# Altium PCB AIWAC_A33_LVDS07_20181114..PcbDoc (part 12 of 14)
Units mm, origin at the board's own origin, x right, y up, seen from the top; angles counter-clockwise.
Board outline 96.06 x 45 mm, 2 copper layers (Top Layer, Bottom Layer); 78 components, 59 nets, 22856 pads, 712 vias.
Unrouted connection lines stored in the file: 2.
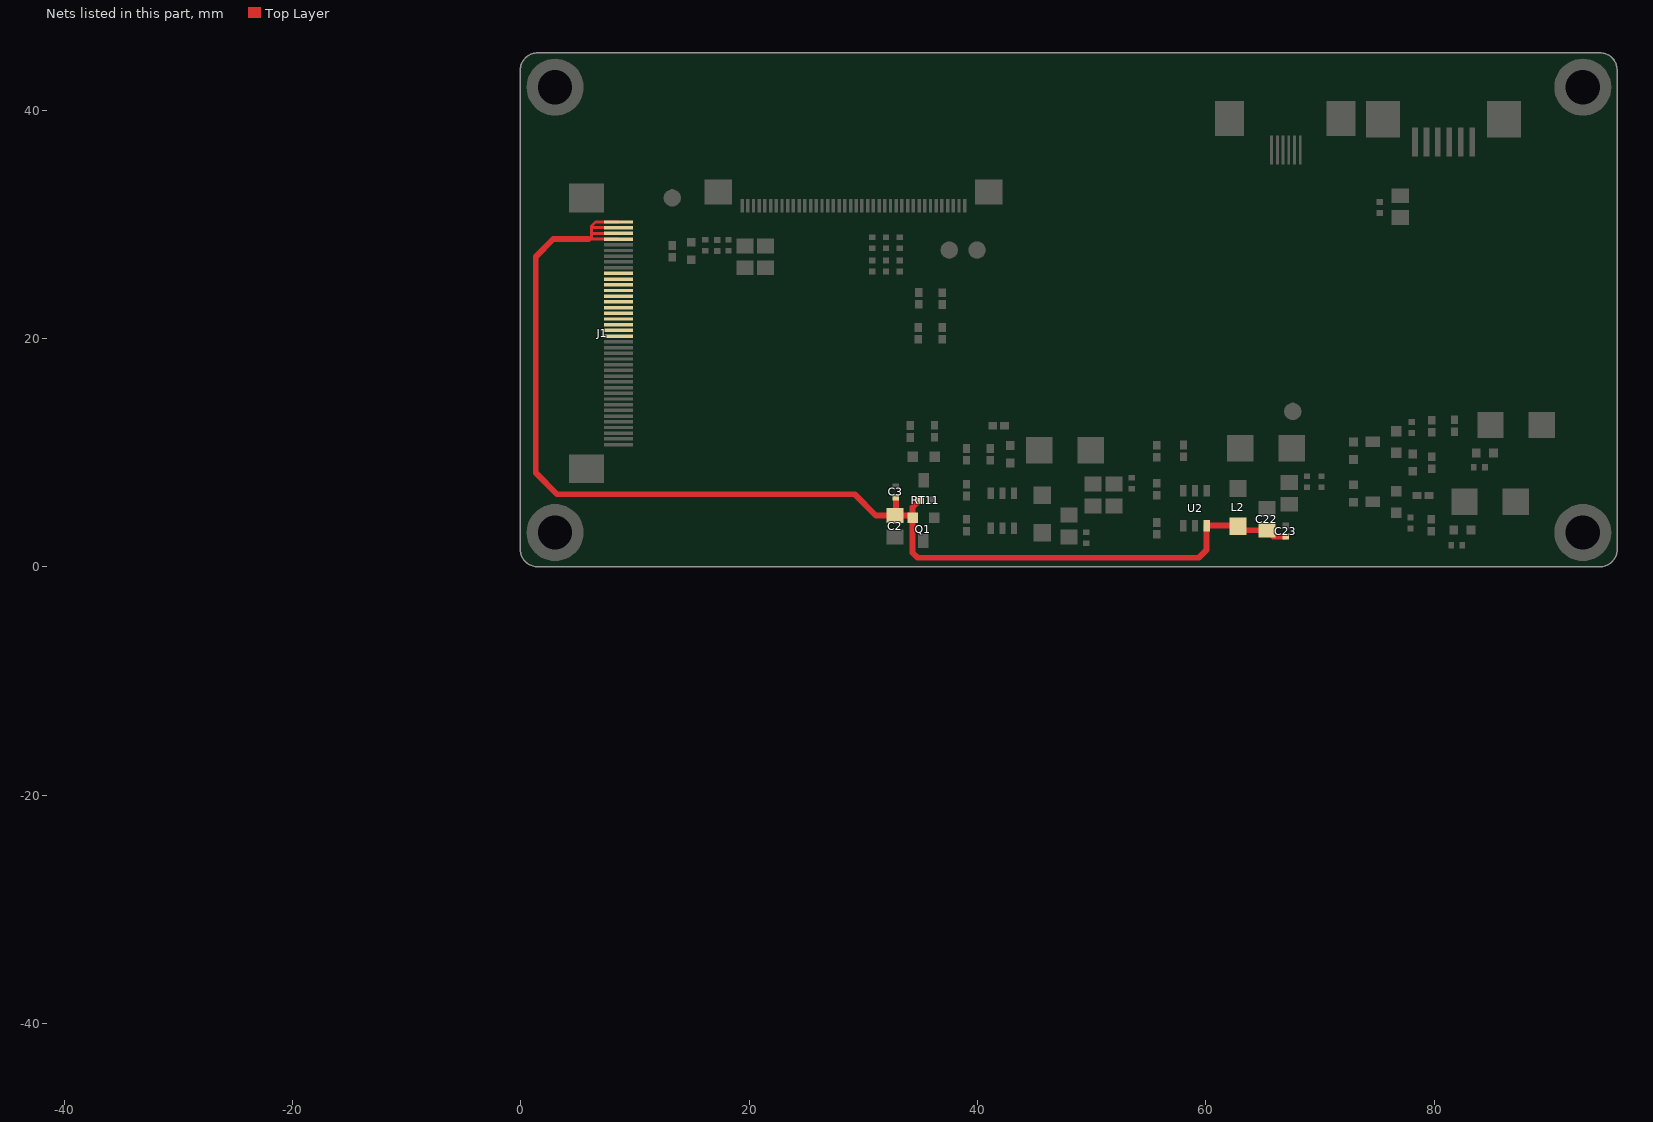
[diagram p12: the nets of this part, all layers, seen from the top]

## Free pads (board coordinates) (continued)
  round 0.001 on Mech2: 1(-39.049,-44.11) 1(-39.049,-44.11) 1(-39.049,-44.11) 1(-39.049,-44.108) 1(-39.049,-44.108) 1(-39.049,-44.108) 1(-39.049,-44.108) 1(-39.049,-44.108) 1(-39.049,-44.108) 1(-39.049,-44.106) 1(-39.049,-44.106) 1(-39.049,-44.106) 1(-39.049,-44.106) 1(-39.049,-44.106) 1(-39.049,-44.106) 1(-39.049,-44.104) 1(-39.049,-44.104) 1(-39.049,-44.104) 1(-39.048,-44.132) 1(-39.048,-44.132) 1(-39.048,-44.132) 1(-39.048,-44.126) 1(-39.048,-44.126) 1(-39.048,-44.126) 1(-39.046,-44.141) 1(-39.046,-44.141) 1(-39.046,-44.141) 1(-39.046,-44.139) 1(-39.046,-44.139) 1(-39.046,-44.139) 1(-39.046,-44.139) 1(-39.046,-44.139) 1(-39.046,-44.139) 1(-39.046,-44.139) 1(-39.046,-44.139) 1(-39.046,-44.139) 1(-39.045,-44.102) 1(-39.045,-44.102) 1(-39.045,-44.102) 1(-39.044,-44.111) 1(-39.044,-44.111) 1(-39.044,-44.111) 1(-39.044,-44.102) 1(-39.044,-44.102) 1(-39.044,-44.102) 1(-39.044,-44.122) 1(-39.044,-44.122) 1(-39.044,-44.122) 1(-39.044,-44.119) 1(-39.044,-44.119) 1(-39.044,-44.119) 1(-39.044,-44.116) 1(-39.044,-44.116) 1(-39.044,-44.116) 1(-39.044,-44.114) 1(-39.044,-44.114) 1(-39.044,-44.114) 1(-39.044,-44.111) 1(-39.044,-44.111) 1(-39.044,-44.111) 1(-39.044,-44.111) 1(-39.044,-44.111) 1(-39.044,-44.111) 1(-39.043,-44.112) 1(-39.043,-44.112) 1(-39.043,-44.112) 1(-39.043,-44.097) 1(-39.043,-44.097) 1(-39.043,-44.097) 1(-39.043,-44.102) 1(-39.043,-44.102) 1(-39.043,-44.102) 1(-39.043,-44.111) 1(-39.043,-44.111) 1(-39.043,-44.111) 1(-39.042,-44.124) 1(-39.042,-44.124) 1(-39.042,-44.124) 1(-39.042,-44.124) 1(-39.042,-44.124) 1(-39.042,-44.124) 1(-39.042,-44.124) 1(-39.042,-44.124) 1(-39.042,-44.124) 1(-39.042,-44.102) 1(-39.042,-44.102) 1(-39.042,-44.102) 1(-39.042,-44.102) 1(-39.042,-44.102) 1(-39.042,-44.102) 1(-39.042,-44.095) 1(-39.042,-44.095) 1(-39.042,-44.095) 1(-39.042,-44.096) 1(-39.042,-44.096) 1(-39.042,-44.096) 1(-39.042,-44.096) 1(-39.042,-44.096) 1(-39.042,-44.096) 1(-39.042,-44.101) 1(-39.042,-44.101) 1(-39.042,-44.101) 1(-39.042,-44.101) 1(-39.042,-44.101) 1(-39.042,-44.101) 1(-39.042,-44.125) 1(-39.042,-44.125) 1(-39.042,-44.125) 1(-39.041,-44.14) 1(-39.041,-44.14) 1(-39.041,-44.14) 1(-39.041,-44.097) 1(-39.041,-44.097) 1(-39.041,-44.097) 1(-39.041,-44.097) 1(-39.041,-44.097) 1(-39.041,-44.097) 1(-39.041,-44.133) 1(-39.041,-44.133) 1(-39.041,-44.133) 1(-39.041,-44.132) 1(-39.041,-44.132) 1(-39.041,-44.132) 1(-39.041,-44.104) 1(-39.041,-44.104) 1(-39.041,-44.104) 1(-39.041,-44.102) 1(-39.041,-44.102) 1(-39.041,-44.102) 1(-39.041,-44.101) 1(-39.041,-44.101) 1(-39.041,-44.101) 1(-39.041,-44.101) 1(-39.041,-44.101) 1(-39.041,-44.101) 1(-39.041,-44.098) 1(-39.041,-44.098) 1(-39.041,-44.098) 1(-39.041,-44.097) 1(-39.041,-44.097) 1(-39.041,-44.097) 1(-39.041,-44.097) 1(-39.041,-44.097) 1(-39.041,-44.097) 1(-39.041,-44.097) 1(-39.041,-44.097) 1(-39.041,-44.097) 1(-39.041,-44.097) 1(-39.041,-44.097) 1(-39.041,-44.097) 1(-39.04,-44.096) 1(-39.04,-44.096) 1(-39.04,-44.096) 1(-39.04,-44.14) 1(-39.04,-44.14) 1(-39.04,-44.14) 1(-39.04,-44.105) 1(-39.04,-44.105) 1(-39.04,-44.105) 1(-39.04,-44.103) 1(-39.04,-44.103) 1(-39.04,-44.103) 1(-39.04,-44.103) 1(-39.04,-44.103) 1(-39.04,-44.103) 1(-39.04,-44.133) 1(-39.04,-44.133) 1(-39.04,-44.133) 1(-39.04,-44.132) 1(-39.04,-44.132) 1(-39.04,-44.132) 1(-39.04,-44.104) 1(-39.04,-44.104) 1(-39.04,-44.104) 1(-39.04,-44.103) 1(-39.04,-44.103) 1(-39.04,-44.103) 1(-39.04,-44.102) 1(-39.04,-44.102) 1(-39.04,-44.102) 1(-39.04,-44.099) 1(-39.04,-44.099) 1(-39.04,-44.099) 1(-39.04,-44.099) 1(-39.04,-44.099) 1(-39.04,-44.099) 1(-39.04,-44.098) 1(-39.04,-44.098) 1(-39.04,-44.098) 1(-39.04,-44.097) 1(-39.04,-44.097) 1(-39.04,-44.097) 1(-39.04,-44.097) 1(-39.04,-44.097) 1(-39.04,-44.097) 1(-39.04,-44.097) 1(-39.04,-44.097) 1(-39.04,-44.097) 1(-39.039,-44.096) 1(-39.039,-44.096) 1(-39.039,-44.096) 1(-39.039,-44.118) 1(-39.039,-44.118) 1(-39.039,-44.118) 1(-39.039,-44.116) 1(-39.039,-44.116) 1(-39.039,-44.116) 1(-39.039,-44.125) 1(-39.039,-44.125) 1(-39.039,-44.125) 1(-39.039,-44.125) 1(-39.039,-44.125) 1(-39.039,-44.125) 1(-39.039,-44.125) 1(-39.039,-44.125) 1(-39.039,-44.125) 1(-39.039,-44.114) 1(-39.039,-44.114) 1(-39.039,-44.114) 1(-39.038,-44.112) 1(-39.038,-44.112) 1(-39.038,-44.112) 1(-39.038,-44.112) 1(-39.038,-44.112) 1(-39.038,-44.112) 1(-39.038,-44.14) 1(-39.038,-44.14) 1(-39.038,-44.14) 1(-39.038,-44.112) 1(-39.038,-44.112) 1(-39.038,-44.112) 1(-39.038,-44.104) 1(-39.038,-44.104) 1(-39.038,-44.104) 1(-39.038,-44.104) 1(-39.038,-44.104) 1(-39.038,-44.104) 1(-39.038,-44.104) 1(-39.038,-44.104) 1(-39.038,-44.104) 1(-39.038,-44.103) 1(-39.038,-44.103) 1(-39.038,-44.103) 1(-39.038,-44.102) 1(-39.038,-44.102) 1(-39.038,-44.102) 1(-39.038,-44.098) 1(-39.038,-44.098) 1(-39.038,-44.098) 1(-39.038,-44.097) 1(-39.038,-44.097) 1(-39.038,-44.097) 1(-39.038,-44.097) 1(-39.038,-44.097) 1(-39.038,-44.097) 1(-39.038,-44.096) 1(-39.038,-44.096) 1(-39.038,-44.096) 1(-39.038,-44.096) 1(-39.038,-44.096) 1(-39.038,-44.096) 1(-39.038,-44.113) 1(-39.038,-44.113) 1(-39.038,-44.113) 1(-39.038,-44.118) 1(-39.038,-44.118) 1(-39.038,-44.118) 1(-39.038,-44.118) 1(-39.038,-44.118) 1(-39.038,-44.118) 1(-39.038,-44.105) 1(-39.038,-44.105) 1(-39.038,-44.105) 1(-39.038,-44.105) 1(-39.038,-44.105) 1(-39.038,-44.105) 1(-39.038,-44.105) 1(-39.038,-44.105) 1(-39.038,-44.105) 1(-39.038,-44.109) 1(-39.038,-44.109) 1(-39.038,-44.109) 1(-39.038,-44.109) 1(-39.038,-44.109) 1(-39.038,-44.109) 1(-39.038,-44.109) 1(-39.038,-44.109) 1(-39.038,-44.109) 1(-39.038,-44.125) 1(-39.038,-44.125) 1(-39.038,-44.125) 1(-39.038,-44.125) 1(-39.038,-44.125) 1(-39.038,-44.125) 1(-39.038,-44.14) 1(-39.038,-44.14) 1(-39.038,-44.14) 1(-39.038,-44.14) 1(-39.038,-44.14) 1(-39.038,-44.14) 1(-39.038,-44.114) 1(-39.038,-44.114) 1(-39.038,-44.114) 1(-39.038,-44.116) 1(-39.038,-44.116) 1(-39.038,-44.116) 1(-39.038,-44.116) 1(-39.038,-44.116) 1(-39.038,-44.116) 1(-39.038,-44.096) 1(-39.038,-44.096) 1(-39.038,-44.096) 1(-39.037,-44.113) 1(-39.037,-44.113) 1(-39.037,-44.113) 1(-39.037,-44.14) 1(-39.037,-44.14) 1(-39.037,-44.14) 1(-39.037,-44.104) 1(-39.037,-44.104) 1(-39.037,-44.104) 1(-39.037,-44.103) 1(-39.037,-44.103) 1(-39.037,-44.103) 1(-39.037,-44.103) 1(-39.037,-44.103) 1(-39.037,-44.103) 1(-39.037,-44.102) 1(-39.037,-44.102) 1(-39.037,-44.102) 1(-39.037,-44.101) 1(-39.037,-44.101) 1(-39.037,-44.101) 1(-39.037,-44.101) 1(-39.037,-44.101) 1(-39.037,-44.101) 1(-39.037,-44.098) 1(-39.037,-44.098) 1(-39.037,-44.098) 1(-39.037,-44.097) 1(-39.037,-44.097) 1(-39.037,-44.097) 1(-39.037,-44.097) 1(-39.037,-44.097) 1(-39.037,-44.097) 1(-39.037,-44.096) 1(-39.037,-44.096) 1(-39.037,-44.096) 1(-39.037,-44.096) 1(-39.037,-44.096) 1(-39.037,-44.096) 1(-39.037,-44.104) 1(-39.037,-44.104) 1(-39.037,-44.104) 1(-39.037,-44.104) 1(-39.037,-44.104) 1(-39.037,-44.104) 1(-39.037,-44.118) 1(-39.037,-44.118) 1(-39.037,-44.118) 1(-39.037,-44.118) 1(-39.037,-44.118) 1(-39.037,-44.118) 1(-39.037,-44.117) 1(-39.037,-44.117) 1(-39.037,-44.117) 1(-39.037,-44.118) 1(-39.037,-44.118) 1(-39.037,-44.118) 1(-39.037,-44.118) 1(-39.037,-44.118) 1(-39.037,-44.118) 1(-39.037,-44.109) 1(-39.037,-44.109) 1(-39.037,-44.109) 1(-39.037,-44.109) 1(-39.037,-44.109) 1(-39.037,-44.109) 1(-39.036,-44.125) 1(-39.036,-44.125) 1(-39.036,-44.125) 1(-39.036,-44.109) 1(-39.036,-44.109) 1(-39.036,-44.109) 1(-39.036,-44.109) 1(-39.036,-44.109) 1(-39.036,-44.109) 1(-39.036,-44.14) 1(-39.036,-44.14) 1(-39.036,-44.14) 1(-39.035,-44.109) 1(-39.035,-44.109) 1(-39.035,-44.109) 1(-39.035,-44.109) 1(-39.035,-44.109) 1(-39.035,-44.109) 1(-39.035,-44.104) 1(-39.035,-44.104) 1(-39.035,-44.104) 1(-39.035,-44.104) 1(-39.035,-44.104) 1(-39.035,-44.104) 1(-39.035,-44.101) 1(-39.035,-44.101) 1(-39.035,-44.101) 1(-39.035,-44.101) 1(-39.035,-44.101) 1(-39.035,-44.101) 1(-39.035,-44.118) 1(-39.035,-44.118) 1(-39.035,-44.118) 1(-39.035,-44.118) 1(-39.035,-44.118) 1(-39.035,-44.118) 1(-39.035,-44.117) 1(-39.035,-44.117) 1(-39.035,-44.117) 1(-39.035,-44.106) 1(-39.035,-44.106) 1(-39.035,-44.106) 1(-39.035,-44.106) 1(-39.035,-44.106) 1(-39.035,-44.106) 1(-39.035,-44.105) 1(-39.035,-44.105) 1(-39.035,-44.105) 1(-39.035,-44.105) 1(-39.035,-44.105) 1(-39.035,-44.105) 1(-39.035,-44.104) 1(-39.035,-44.104) 1(-39.035,-44.104) 1(-39.035,-44.104) 1(-39.035,-44.104) 1(-39.035,-44.104) 1(-39.035,-44.106) 1(-39.035,-44.106) 1(-39.035,-44.106) 1(-39.035,-44.117) 1(-39.035,-44.117) 1(-39.035,-44.117) 1(-39.035,-44.117) 1(-39.035,-44.117) 1(-39.035,-44.117) 1(-39.035,-44.14) 1(-39.035,-44.14) 1(-39.035,-44.14) 1(-39.034,-44.106) 1(-39.034,-44.106) 1(-39.034,-44.106) 1(-39.034,-44.118) 1(-39.034,-44.118) 1(-39.034,-44.118) 1(-39.034,-44.117) 1(-39.034,-44.117) 1(-39.034,-44.117) 1(-39.034,-44.106) 1(-39.034,-44.106) 1(-39.034,-44.106) 1(-39.034,-44.106) 1(-39.034,-44.106) 1(-39.034,-44.106) 1(-39.034,-44.105) 1(-39.034,-44.105) 1(-39.034,-44.105) 1(-39.033,-44.112) 1(-39.033,-44.112) 1(-39.033,-44.112) 1(-39.033,-44.112) 1(-39.033,-44.112) 1(-39.033,-44.112) 1(-39.032,-44.117) 1(-39.032,-44.117) 1(-39.032,-44.117) 1(-39.032,-44.116) 1(-39.032,-44.116) 1(-39.032,-44.116) 1(-39.031,-44.148) 1(-39.031,-44.148) 1(-39.031,-44.148) 1(-39.031,-44.143) 1(-39.031,-44.143) 1(-39.031,-44.143) 1(-39.028,-44.135) 1(-39.028,-44.135) 1(-39.028,-44.135) 1(-39.028,-44.138) 1(-39.028,-44.138) 1(-39.028,-44.138) 1(-39.028,-44.137) 1(-39.028,-44.137) 1(-39.028,-44.137) 1(-39.028,-44.133) 1(-39.028,-44.133) 1(-39.028,-44.133) 1(-39.028,-44.132) 1(-39.028,-44.132) 1(-39.028,-44.132) 1(-39.028,-44.112) 1(-39.028,-44.112) 1(-39.028,-44.112) 1(-39.028,-44.112) 1(-39.028,-44.112) 1(-39.028,-44.112) 1(-39.027,-44.14) 1(-39.027,-44.14) 1(-39.027,-44.14) 1(-39.027,-44.14) 1(-39.027,-44.14) 1(-39.027,-44.14) 1(-39.027,-44.14) 1(-39.027,-44.14) 1(-39.027,-44.14) 1(-39.027,-44.14) 1(-39.027,-44.14) 1(-39.027,-44.14) 1(-39.027,-44.135) 1(-39.027,-44.135) 1(-39.027,-44.135) 1(-39.027,-44.135) 1(-39.027,-44.135) 1(-39.027,-44.135) 1(-39.027,-44.135) 1(-39.027,-44.135) 1(-39.027,-44.135) 1(-39.027,-44.135) 1(-39.027,-44.135) 1(-39.027,-44.135) 1(-39.027,-44.134) 1(-39.027,-44.134) 1(-39.027,-44.134) 1(-39.025,-44.147) 1(-39.025,-44.147) 1(-39.025,-44.147) 1(-39.025,-44.147) 1(-39.025,-44.147) 1(-39.025,-44.147) 1(-39.025,-44.146) 1(-39.025,-44.146) 1(-39.025,-44.146) 1(-39.025,-44.148) 1(-39.025,-44.148) 1(-39.025,-44.148) 1(-39.025,-44.148) 1(-39.025,-44.148) 1(-39.025,-44.148) 1(-39.025,-44.109) 1(-39.025,-44.109) 1(-39.025,-44.109) 1(-39.025,-44.109) 1(-39.025,-44.109) 1(-39.025,-44.109) 1(-39.025,-44.109) 1(-39.025,-44.109) 1(-39.025,-44.109) 1(-39.024,-44.148) 1(-39.024,-44.148) 1(-39.024,-44.148) 1(-39.024,-44.148) 1(-39.024,-44.148) 1(-39.024,-44.148) 1(-39.024,-44.148) 1(-39.024,-44.148) 1(-39.024,-44.148) 1(-39.023,-44.148) 1(-39.023,-44.148) 1(-39.023,-44.148) 1(-39.023,-44.148) 1(-39.023,-44.148) 1(-39.023,-44.148) 1(-39.023,-44.146) 1(-39.023,-44.146) 1(-39.023,-44.146) 1(-39.022,-44.148) 1(-39.022,-44.148) 1(-39.022,-44.148) 1(-39.022,-44.148) 1(-39.022,-44.148) 1(-39.022,-44.148) 1(-39.022,-44.148) 1(-39.022,-44.148) 1(-39.022,-44.148) 1(-39.021,-44.148) 1(-39.021,-44.148) 1(-39.021,-44.148) 1(-39.021,-44.148) 1(-39.021,-44.148) 1(-39.021,-44.148) 1(-39.021,-44.146) 1(-39.021,-44.146) 1(-39.021,-44.146) 1(-39.02,-44.148) 1(-39.02,-44.148) 1(-39.02,-44.148) 1(-39.02,-44.148) 1(-39.02,-44.148) 1(-39.02,-44.148) 1(-39.019,-44.147) 1(-39.019,-44.147) 1(-39.019,-44.147) 1(-39.019,-44.147) 1(-39.019,-44.147) 1(-39.019,-44.147) 1(-39.019,-44.146) 1(-39.019,-44.146) 1(-39.019,-44.146) 1(-39.019,-44.132) 1(-39.019,-44.132) 1(-39.019,-44.132) 1(-39.019,-44.132) 1(-39.019,-44.132) 1(-39.019,-44.132) 1(-39.019,-44.132) 1(-39.019,-44.132) 1(-39.019,-44.132) 1(-39.019,-44.132) 1(-39.019,-44.132) 1(-39.019,-44.132) 1(-39.016,-44.143) 1(-39.016,-44.143) 1(-39.016,-44.143) 1(-39.015,-44.148) 1(-39.015,-44.148) 1(-39.015,-44.148) 1(-39.015,-44.148) 1(-39.015,-44.148) 1(-39.015,-44.148) 1(-39.015,-44.148) 1(-39.015,-44.148) 1(-39.015,-44.148) 1(-39.015,-44.145) 1(-39.015,-44.145) 1(-39.015,-44.145) 1(-39.015,-44.143) 1(-39.015,-44.143) 1(-39.015,-44.143) 1(-39.015,-44.148) 1(-39.015,-44.148) 1(-39.015,-44.148) 1(-39.015,-44.148) 1(-39.015,-44.148) 1(-39.015,-44.148) 1(-39.015,-44.148) 1(-39.015,-44.148) 1(-39.015,-44.148) 1(-39.014,-44.14) 1(-39.014,-44.14) 1(-39.014,-44.14) 1(-39.014,-44.139) 1(-39.014,-44.139) 1(-39.014,-44.139) 1(-39.014,-44.139) 1(-39.014,-44.139) 1(-39.014,-44.139) 1(-39.014,-44.136) 1(-39.014,-44.136) 1(-39.014,-44.136) 1(-39.014,-44.136) 1(-39.014,-44.136) 1(-39.014,-44.136) 1(-39.014,-44.135) 1(-39.014,-44.135) 1(-39.014,-44.135) 1(-39.013,-44.139) 1(-39.013,-44.139) 1(-39.013,-44.139) 1(-39.013,-44.139) 1(-39.013,-44.139) 1(-39.013,-44.139) 1(-39.013,-44.136) 1(-39.013,-44.136) 1(-39.013,-44.136) 1(-39.013,-44.136) 1(-39.013,-44.136) 1(-39.013,-44.136) 1(-39.013,-44.139) 1(-39.013,-44.139) 1(-39.013,-44.139) 1(-39.013,-44.136) 1(-39.013,-44.136) 1(-39.013,-44.136) 1(-39.013,-44.136) 1(-39.013,-44.136) 1(-39.013,-44.136) 1(-39.013,-44.135) 1(-39.013,-44.135) 1(-39.013,-44.135) 1(-39.011,-44.144) 1(-39.011,-44.144) 1(-39.011,-44.144) 1(-39.01,-44.146) 1(-39.01,-44.146) 1(-39.01,-44.146) 1(-39.01,-44.145) 1(-39.01,-44.145) 1(-39.01,-44.145) 1(-39.01,-44.145) 1(-39.01,-44.145) 1(-39.01,-44.145) 1(-39.009,-44.148) 1(-39.009,-44.148) 1(-39.009,-44.148) 1(-39.009,-44.148) 1(-39.009,-44.148) 1(-39.009,-44.148) 1(-39.008,-44.147) 1(-39.008,-44.147) 1(-39.008,-44.147) 1(-39.008,-44.147) 1(-39.008,-44.147) 1(-39.008,-44.147) 1(-39.008,-44.146) 1(-39.008,-44.146) 1(-39.008,-44.146) 1(-39.004,-44.128) 1(-39.004,-44.128) 1(-39.004,-44.128) 1(-39.004,-44.128) 1(-39.004,-44.128) 1(-39.004,-44.128) 1(-39.004,-44.125) 1(-39.004,-44.125) 1(-39.004,-44.125) 1(-39.004,-44.137) 1(-39.004,-44.137) 1(-39.004,-44.137) 1(-39.004,-44.134) 1(-39.004,-44.134) 1(-39.004,-44.134) 1(-39.004,-44.134) 1(-39.004,-44.134) 1(-39.004,-44.134) 1(-39.004,-44.134) 1(-39.004,-44.134) 1(-39.004,-44.134) 1(-39.003,-44.128) 1(-39.003,-44.128) 1(-39.003,-44.128) 1(-39.003,-44.128) 1(-39.003,-44.128) 1(-39.003,-44.128) 1(-39.002,-44.128) 1(-39.002,-44.128) 1(-39.002,-44.128) 1(-39.002,-44.128) 1(-39.002,-44.128) 1(-39.002,-44.128) 1(-39,-44.133) 1(-39,-44.133) 1(-39,-44.133) 1(-39,-44.137) 1(-39,-44.137) 1(-39,-44.137) 1(-39,-44.137) 1(-39,-44.137) 1(-39,-44.137) 1(-39,-44.14) 1(-39,-44.14) 1(-39,-44.14) 1(-39,-44.139) 1(-39,-44.139) 1(-39,-44.139) 1(-39,-44.139) 1(-39,-44.139) 1(-39,-44.139) 1(-39,-44.139) 1(-39,-44.139) 1(-39,-44.139) 1(-39,-44.139) 1(-39,-44.139) 1(-39,-44.139) 1(-39,-44.137) 1(-39,-44.137) 1(-39,-44.137) 1(-39,-44.137) 1(-39,-44.137) 1(-39,-44.137) 1(-39,-44.137) 1(-39,-44.137) 1(-39,-44.137) 1(-39,-44.137) 1(-39,-44.137) 1(-39,-44.137) 1(-39,-44.134) 1(-39,-44.134) 1(-39,-44.134) 1(-39,-44.134) 1(-39,-44.134) 1(-39,-44.134) 1(-39,-44.134) 1(-39,-44.134) 1(-39,-44.134) 1(-39,-44.134) 1(-39,-44.134) 1(-39,-44.134) 1(-39,-44.133) 1(-39,-44.133) 1(-39,-44.133) 1(-39,-44.133) 1(-39,-44.133) 1(-39,-44.133) 1(-38.999,-44.104) 1(-38.999,-44.104) 1(-38.999,-44.104) 1(-38.998,-44.127) 1(-38.998,-44.127) 1(-38.998,-44.127) 1(-38.998,-44.127) 1(-38.998,-44.127) 1(-38.998,-44.127) 1(-38.998,-44.127) 1(-38.998,-44.127) 1(-38.998,-44.127) 1(-38.997,-44.104) 1(-38.997,-44.104) 1(-38.997,-44.104) 1(-38.997,-44.128) 1(-38.997,-44.128) 1(-38.997,-44.128) 1(-38.997,-44.128) 1(-38.997,-44.128) 1(-38.997,-44.128) 1(-38.997,-44.131) 1(-38.997,-44.131) 1(-38.997,-44.131) 1(-38.997,-44.131) 1(-38.997,-44.131) 1(-38.997,-44.131) 1(-38.997,-44.128) 1(-38.997,-44.128) 1(-38.997,-44.128) 1(-38.997,-44.128) 1(-38.997,-44.128) 1(-38.997,-44.128) 1(-38.996,-44.132) 1(-38.996,-44.132) 1(-38.996,-44.132) 1(-38.996,-44.132) 1(-38.996,-44.132) 1(-38.996,-44.132) 1(-38.996,-44.131) 1(-38.996,-44.131) 1(-38.996,-44.131) 1(-38.996,-44.131) 1(-38.996,-44.131) 1(-38.996,-44.131) 1(-38.996,-44.145) 1(-38.996,-44.145) 1(-38.996,-44.145) 1(-38.996,-44.145) 1(-38.996,-44.145) 1(-38.996,-44.145) 1(-38.996,-44.143) 1(-38.996,-44.143) 1(-38.996,-44.143) 1(-38.996,-44.146) 1(-38.996,-44.146) 1(-38.996,-44.146) 1(-38.996,-44.146) 1(-38.996,-44.146) 1(-38.996,-44.146) 1(-38.996,-44.127) 1(-38.996,-44.127) 1(-38.996,-44.127) 1(-38.995,-44.146) 1(-38.995,-44.146) 1(-38.995,-44.146) 1(-38.995,-44.132) 1(-38.995,-44.132) 1(-38.995,-44.132) 1(-38.995,-44.132) 1(-38.995,-44.132) 1(-38.995,-44.132) 1(-38.995,-44.146) 1(-38.995,-44.146) 1(-38.995,-44.146) 1(-38.995,-44.144) 1(-38.995,-44.144) 1(-38.995,-44.144) 1(-38.994,-44.132) 1(-38.994,-44.132) 1(-38.994,-44.132) 1(-38.994,-44.132) 1(-38.994,-44.132) 1(-38.994,-44.132) 1(-38.993,-44.146) 1(-38.993,-44.146) 1(-38.993,-44.146) 1(-38.993,-44.144) 1(-38.993,-44.144) 1(-38.993,-44.144) 1(-38.993,-44.144) 1(-38.993,-44.144) 1(-38.993,-44.144) 1(-38.993,-44.144) 1(-38.993,-44.144) 1(-38.993,-44.144) 1(-38.993,-44.144) 1(-38.993,-44.144) 1(-38.993,-44.144) 1(-38.993,-44.142) 1(-38.993,-44.142) 1(-38.993,-44.142) 1(-38.993,-44.142) 1(-38.993,-44.142) 1(-38.993,-44.142) 1(-38.993,-44.133) 1(-38.993,-44.133) 1(-38.993,-44.133) 1(-38.993,-44.133) 1(-38.993,-44.133) 1(-38.993,-44.133) 1(-38.993,-44.127) 1(-38.993,-44.127) 1(-38.993,-44.127) 1(-38.991,-44.127) 1(-38.991,-44.127) 1(-38.991,-44.127) 1(-38.991,-44.127) 1(-38.991,-44.127) 1(-38.991,-44.127) 1(-38.99,-44.125) 1(-38.99,-44.125) 1(-38.99,-44.125) 1(-38.99,-44.125) 1(-38.99,-44.125) 1(-38.99,-44.125) 1(-38.99,-44.13) 1(-38.99,-44.13) 1(-38.99,-44.13) 1(-38.99,-44.128) 1(-38.99,-44.128) 1(-38.99,-44.128) 1(-38.99,-44.128) 1(-38.99,-44.128) 1(-38.99,-44.128) 1(-38.99,-44.127) 1(-38.99,-44.127) 1(-38.99,-44.127) 1(-38.99,-44.127) 1(-38.99,-44.127) 1(-38.99,-44.127) 1(-38.99,-44.128) 1(-38.99,-44.128) 1(-38.99,-44.128) 1(-38.99,-44.127) 1(-38.99,-44.127) 1(-38.99,-44.127) 1(-38.989,-44.125) 1(-38.989,-44.125) 1(-38.989,-44.125) 1(-38.989,-44.125) 1(-38.989,-44.125) 1(-38.989,-44.125) 1(-38.989,-44.123) 1(-38.989,-44.123) 1(-38.989,-44.123) 1(-38.989,-44.122) 1(-38.989,-44.122) 1(-38.989,-44.122) 1(-38.989,-44.13) 1(-38.989,-44.13) 1(-38.989,-44.13) 1(-38.989,-44.13) 1(-38.989,-44.13) 1(-38.989,-44.13) 1(-38.989,-44.13) 1(-38.989,-44.13) 1(-38.989,-44.13) 1(-38.988,-44.129) 1(-38.988,-44.129) 1(-38.988,-44.129) 1(-38.988,-44.129) 1(-38.988,-44.129) 1(-38.988,-44.129) 1(-38.988,-44.128) 1(-38.988,-44.128) 1(-38.988,-44.128) 1(-38.988,-44.146) 1(-38.988,-44.146) 1(-38.988,-44.146) 1(-38.988,-44.125) 1(-38.988,-44.125) 1(-38.988,-44.125) 1(-38.988,-44.125) 1(-38.988,-44.125) 1(-38.988,-44.125) 1(-38.988,-44.123) 1(-38.988,-44.123) 1(-38.988,-44.123) 1(-38.988,-44.122) 1(-38.988,-44.122) 1(-38.988,-44.122) 1(-38.988,-44.132) 1(-38.988,-44.132) 1(-38.988,-44.132) 1(-38.988,-44.132) 1(-38.988,-44.132) 1(-38.988,-44.132) 1(-38.988,-44.13) 1(-38.988,-44.13) 1(-38.988,-44.13) 1(-38.988,-44.132) 1(-38.988,-44.132) 1(-38.988,-44.132) 1(-38.988,-44.132) 1(-38.988,-44.132) 1(-38.988,-44.132) 1(-38.987,-44.146) 1(-38.987,-44.146) 1(-38.987,-44.146) 1(-38.987,-44.146) 1(-38.987,-44.146) 1(-38.987,-44.146) 1(-38.987,-44.128) 1(-38.987,-44.128) 1(-38.987,-44.128) 1(-38.987,-44.128) 1(-38.987,-44.128) 1(-38.987,-44.128) 1(-38.987,-44.128) 1(-38.987,-44.128) 1(-38.987,-44.128) 1(-38.986,-44.132) 1(-38.986,-44.132) 1(-38.986,-44.132) 1(-38.986,-44.132) 1(-38.986,-44.132) 1(-38.986,-44.132) 1(-38.986,-44.132) 1(-38.986,-44.132) 1(-38.986,-44.132) 1(-38.986,-44.132) 1(-38.986,-44.132) 1(-38.986,-44.132) 1(-38.986,-44.13) 1(-38.986,-44.13) 1(-38.986,-44.13) 1(-38.986,-44.128) 1(-38.986,-44.128) 1(-38.986,-44.128) 1(-38.986,-44.128) 1(-38.986,-44.128) 1(-38.986,-44.128) 1(-38.986,-44.146) 1(-38.986,-44.146) 1(-38.986,-44.146) 1(-38.986,-44.146) 1(-38.986,-44.146) 1(-38.986,-44.146) 1(-38.985,-44.095) 1(-38.985,-44.095) 1(-38.985,-44.095) 1(-38.984,-44.128) 1(-38.984,-44.128) 1(-38.984,-44.128) 1(-38.984,-44.128) 1(-38.984,-44.128) 1(-38.984,-44.128) 1(-38.984,-44.146) 1(-38.984,-44.146) 1(-38.984,-44.146) 1(-38.983,-44.095) 1(-38.983,-44.095) 1(-38.983,-44.095) 1(-38.983,-44.147) 1(-38.983,-44.147) 1(-38.983,-44.147) 1(-38.983,-44.144) 1(-38.983,-44.144) 1(-38.983,-44.144) 1(-38.981,-44.14) 1(-38.981,-44.14) 1(-38.981,-44.14) 1(-38.981,-44.139) 1(-38.981,-44.139) 1(-38.981,-44.139) 1(-38.981,-44.139) 1(-38.981,-44.139) 1(-38.981,-44.139) 1(-38.981,-44.131) 1(-38.981,-44.131) 1(-38.981,-44.131) 1(-38.981,-44.131) 1(-38.981,-44.131) 1(-38.981,-44.131) 1(-38.98,-44.101) 1(-38.98,-44.101) 1(-38.98,-44.101) 1(-38.98,-44.101) 1(-38.98,-44.101) 1(-38.98,-44.101) 1(-38.98,-44.1) 1(-38.98,-44.1) 1(-38.98,-44.1) 1(-38.98,-44.101) 1(-38.98,-44.101) 1(-38.98,-44.101)
  round 0.001 on Mech10: 1(-39.048,-44.132) 1(-39.048,-44.132) 1(-39.048,-44.132) 1(-39.048,-44.126) 1(-39.048,-44.126) 1(-39.048,-44.126) 1(-39.044,-44.122) 1(-39.044,-44.122) 1(-39.044,-44.122) 1(-39.044,-44.119) 1(-39.044,-44.119) 1(-39.044,-44.119) 1(-39.044,-44.116) 1(-39.044,-44.116) 1(-39.044,-44.116) 1(-39.044,-44.114) 1(-39.044,-44.114) 1(-39.044,-44.114)
  round 0.002 on Mech14: 1(-39.048,-44.132) 1(-39.048,-44.132) 1(-39.048,-44.132) 1(-39.048,-44.131) 1(-39.048,-44.131) 1(-39.048,-44.131) 1(-39.048,-44.127) 1(-39.048,-44.127) 1(-39.048,-44.127) 1(-39.048,-44.126) 1(-39.048,-44.126) 1(-39.048,-44.126) 1(-39.045,-44.133) 1(-39.045,-44.133) 1(-39.045,-44.133) 1(-39.045,-44.132) 1(-39.045,-44.132) 1(-39.045,-44.132) 1(-39.045,-44.126) 1(-39.045,-44.126) 1(-39.045,-44.126) 1(-39.045,-44.125) 1(-39.045,-44.125) 1(-39.045,-44.125) 1(-39.044,-44.122) 1(-39.044,-44.122) 1(-39.044,-44.122) 1(-39.044,-44.119) 1(-39.044,-44.119) 1(-39.044,-44.119) 1(-39.044,-44.116) 1(-39.044,-44.116) 1(-39.044,-44.116) 1(-39.044,-44.114) 1(-39.044,-44.114) 1(-39.044,-44.114)
  round 0.002 on Mech15: 1(-39.048,-44.132) 1(-39.048,-44.132) 1(-39.048,-44.132) 1(-39.048,-44.131) 1(-39.048,-44.131) 1(-39.048,-44.131) 1(-39.048,-44.127) 1(-39.048,-44.127) 1(-39.048,-44.127) 1(-39.048,-44.126) 1(-39.048,-44.126) 1(-39.048,-44.126) 1(-39.045,-44.133) 1(-39.045,-44.133) 1(-39.045,-44.133) 1(-39.045,-44.132) 1(-39.045,-44.132) 1(-39.045,-44.132) 1(-39.045,-44.126) 1(-39.045,-44.126) 1(-39.045,-44.126) 1(-39.045,-44.125) 1(-39.045,-44.125) 1(-39.045,-44.125) 1(-39.044,-44.122) 1(-39.044,-44.122) 1(-39.044,-44.122) 1(-39.044,-44.119) 1(-39.044,-44.119) 1(-39.044,-44.119) 1(-39.044,-44.116) 1(-39.044,-44.116) 1(-39.044,-44.116) 1(-39.044,-44.114) 1(-39.044,-44.114) 1(-39.044,-44.114)
  round 0.005 on Mech3: 1(-39.047,-44.148) 1(-39.047,-44.148) 1(-39.047,-44.148) 1(-39.047,-44.096) 1(-39.047,-44.096) 1(-39.047,-44.096) 1(-38.976,-44.148) 1(-38.976,-44.148) 1(-38.976,-44.148) 1(-38.976,-44.096) 1(-38.976,-44.096) 1(-38.976,-44.096)
  round 0.005 on Mech2: 1(-39.047,-44.148) 1(-39.047,-44.148) 1(-39.047,-44.148) 1(-39.047,-44.096) 1(-39.047,-44.096) 1(-39.047,-44.096) 1(-38.976,-44.148) 1(-38.976,-44.148) 1(-38.976,-44.148) 1(-38.976,-44.096) 1(-38.976,-44.096) 1(-38.976,-44.096)
  round 0.005 on Mech10: 1(-39.047,-44.148) 1(-39.047,-44.148) 1(-39.047,-44.148) 1(-39.047,-44.096) 1(-39.047,-44.096) 1(-39.047,-44.096) 1(-38.976,-44.148) 1(-38.976,-44.148) 1(-38.976,-44.148) 1(-38.976,-44.096) 1(-38.976,-44.096) 1(-38.976,-44.096)
  round 0.005 on Mech14: 1(-39.047,-44.148) 1(-39.047,-44.148) 1(-39.047,-44.148) 1(-39.047,-44.096) 1(-39.047,-44.096) 1(-39.047,-44.096) 1(-38.976,-44.148) 1(-38.976,-44.148) 1(-38.976,-44.148) 1(-38.976,-44.096) 1(-38.976,-44.096) 1(-38.976,-44.096)
  round 0.005 on Mech15: 1(-39.047,-44.148) 1(-39.047,-44.148) 1(-39.047,-44.148) 1(-39.047,-44.096) 1(-39.047,-44.096) 1(-39.047,-44.096) 1(-38.976,-44.148) 1(-38.976,-44.148) 1(-38.976,-44.148) 1(-38.976,-44.096) 1(-38.976,-44.096) 1(-38.976,-44.096)
  round 0 on Mech5: 1(-39.047,-44.143) 1(-39.047,-44.143) 1(-39.047,-44.143) 1(-39.047,-44.143) 1(-39.047,-44.143) 1(-39.047,-44.143) 1(-39.047,-44.14) 1(-39.047,-44.14) 1(-39.047,-44.14) 1(-39.047,-44.14) 1(-39.047,-44.14) 1(-39.047,-44.14) 1(-39.046,-44.142) 1(-39.046,-44.142) 1(-39.046,-44.142) 1(-39.046,-44.142) 1(-39.046,-44.142) 1(-39.046,-44.142) 1(-39.046,-44.141) 1(-39.046,-44.141) 1(-39.046,-44.141) 1(-39.045,-44.142) 1(-39.045,-44.142) 1(-39.045,-44.142) 1(-39.045,-44.143) 1(-39.045,-44.143) 1(-39.045,-44.143) 1(-39.045,-44.143) 1(-39.045,-44.143) 1(-39.045,-44.143) 1(-39.045,-44.14) 1(-39.045,-44.14) 1(-39.045,-44.14) 1(-39.045,-44.14) 1(-39.045,-44.14) 1(-39.045,-44.14) 1(-39.043,-44.099) 1(-39.043,-44.099) 1(-39.043,-44.099) 1(-39.043,-44.11) 1(-39.043,-44.11) 1(-39.043,-44.11) 1(-39.043,-44.099) 1(-39.043,-44.099) 1(-39.043,-44.099) 1(-39.043,-44.098) 1(-39.043,-44.098) 1(-39.043,-44.098) 1(-39.043,-44.11) 1(-39.043,-44.11) 1(-39.043,-44.11) 1(-39.043,-44.109) 1(-39.043,-44.109) 1(-39.043,-44.109) 1(-39.042,-44.099) 1(-39.042,-44.099) 1(-39.042,-44.099) 1(-39.042,-44.11) 1(-39.042,-44.11) 1(-39.042,-44.11) 1(-39.04,-44.109) 1(-39.04,-44.109) 1(-39.04,-44.109) 1(-39.039,-44.109) 1(-39.039,-44.109) 1(-39.039,-44.109) 1(-39.039,-44.108) 1(-39.039,-44.108) 1(-39.039,-44.108) 1(-39.039,-44.109) 1(-39.039,-44.109) 1(-39.039,-44.109) 1(-39.038,-44.122) 1(-39.038,-44.122) 1(-39.038,-44.122) 1(-39.038,-44.122) 1(-39.038,-44.122) 1(-39.038,-44.122) 1(-39.038,-44.121) 1(-39.038,-44.121) 1(-39.038,-44.121) 1(-39.038,-44.121) 1(-39.038,-44.121) 1(-39.038,-44.121) 1(-39.038,-44.121) 1(-39.038,-44.121) 1(-39.038,-44.121) 1(-39.037,-44.122) 1(-39.037,-44.122) 1(-39.037,-44.122) 1(-39.037,-44.121) 1(-39.037,-44.121) 1(-39.037,-44.121) 1(-39.037,-44.121) 1(-39.037,-44.121) 1(-39.037,-44.121) 1(-39.036,-44.102) 1(-39.036,-44.102) 1(-39.036,-44.102) 1(-39.036,-44.122) 1(-39.036,-44.122) 1(-39.036,-44.122) 1(-39.036,-44.122) 1(-39.036,-44.122) 1(-39.036,-44.122) 1(-39.036,-44.121) 1(-39.036,-44.121) 1(-39.036,-44.121) 1(-39.036,-44.121) 1(-39.036,-44.121) 1(-39.036,-44.121) 1(-39.035,-44.103) 1(-39.035,-44.103) 1(-39.035,-44.103) 1(-39.035,-44.102) 1(-39.035,-44.102) 1(-39.035,-44.102) 1(-39.035,-44.102) 1(-39.035,-44.102) 1(-39.035,-44.102) 1(-38.995,-44.105) 1(-38.995,-44.105) 1(-38.995,-44.105) 1(-38.995,-44.105) 1(-38.995,-44.105) 1(-38.995,-44.105) 1(-38.995,-44.102) 1(-38.995,-44.102) 1(-38.995,-44.102) 1(-38.995,-44.102) 1(-38.995,-44.102) 1(-38.995,-44.102) 1(-38.995,-44.103) 1(-38.995,-44.103) 1(-38.995,-44.103) 1(-38.995,-44.104) 1(-38.995,-44.104) 1(-38.995,-44.104) 1(-38.995,-44.103) 1(-38.995,-44.103) 1(-38.995,-44.103) 1(-38.994,-44.103) 1(-38.994,-44.103) 1(-38.994,-44.103) 1(-38.994,-44.105) 1(-38.994,-44.105) 1(-38.994,-44.105) 1(-38.994,-44.105) 1(-38.994,-44.105) 1(-38.994,-44.105) 1(-38.994,-44.102) 1(-38.994,-44.102) 1(-38.994,-44.102) 1(-38.994,-44.102) 1(-38.994,-44.102) 1(-38.994,-44.102) 1(-38.994,-44.105) 1(-38.994,-44.105) 1(-38.994,-44.105) 1(-38.994,-44.105) 1(-38.994,-44.105) 1(-38.994,-44.105) 1(-38.994,-44.102) 1(-38.994,-44.102) 1(-38.994,-44.102) 1(-38.994,-44.102) 1(-38.994,-44.102) 1(-38.994,-44.102) 1(-38.993,-44.103) 1(-38.993,-44.103) 1(-38.993,-44.103) 1(-38.993,-44.104) 1(-38.993,-44.104) 1(-38.993,-44.104) 1(-38.993,-44.103) 1(-38.993,-44.103) 1(-38.993,-44.103) 1(-38.992,-44.103) 1(-38.992,-44.103) 1(-38.992,-44.103) 1(-38.992,-44.105) 1(-38.992,-44.105) 1(-38.992,-44.105) 1(-38.992,-44.105) 1(-38.992,-44.105) 1(-38.992,-44.105) 1(-38.992,-44.102) 1(-38.992,-44.102) 1(-38.992,-44.102) 1(-38.992,-44.102) 1(-38.992,-44.102) 1(-38.992,-44.102) 1(-38.978,-44.105) 1(-38.978,-44.105) 1(-38.978,-44.105) 1(-38.978,-44.105) 1(-38.978,-44.105) 1(-38.978,-44.105) 1(-38.978,-44.104) 1(-38.978,-44.104) 1(-38.978,-44.104) 1(-38.978,-44.104) 1(-38.978,-44.104) 1(-38.978,-44.104) 1(-38.978,-44.103) 1(-38.978,-44.103) 1(-38.978,-44.103) 1(-38.977,-44.103) 1(-38.977,-44.103) 1(-38.977,-44.103) 1(-38.977,-44.102) 1(-38.977,-44.102) 1(-38.977,-44.102) 1(-38.977,-44.105) 1(-38.977,-44.105) 1(-38.977,-44.105) 1(-38.977,-44.103) 1(-38.977,-44.103) 1(-38.977,-44.103) 1(-38.977,-44.105) 1(-38.977,-44.105) 1(-38.977,-44.105) 1(-38.977,-44.104) 1(-38.977,-44.104) 1(-38.977,-44.104) 1(-38.976,-44.105) 1(-38.976,-44.105) 1(-38.976,-44.105) 1(-38.975,-44.105) 1(-38.975,-44.105) 1(-38.975,-44.105) 1(-38.975,-44.105) 1(-38.975,-44.105) 1(-38.975,-44.105) 1(-38.975,-44.104) 1(-38.975,-44.104) 1(-38.975,-44.104) 1(-38.975,-44.104) 1(-38.975,-44.104) 1(-38.975,-44.104)
  round 0 on Mech4: 1(-39.046,-44.143) 1(-39.046,-44.143) 1(-39.046,-44.143) 1(-39.046,-44.143) 1(-39.046,-44.143) 1(-39.046,-44.143) 1(-39.046,-44.141) 1(-39.046,-44.141) 1(-39.046,-44.141) 1(-39.046,-44.141) 1(-39.046,-44.141) 1(-39.046,-44.141) 1(-39.045,-44.143) 1(-39.045,-44.143) 1(-39.045,-44.143) 1(-39.045,-44.143) 1(-39.045,-44.143) 1(-39.045,-44.143) 1(-39.045,-44.141) 1(-39.045,-44.141) 1(-39.045,-44.141) 1(-39.045,-44.141) 1(-39.045,-44.141) 1(-39.045,-44.141) 1(-39.044,-44.1) 1(-39.044,-44.1) 1(-39.044,-44.1) 1(-39.044,-44.1) 1(-39.044,-44.1) 1(-39.044,-44.1) 1(-39.044,-44.097) 1(-39.044,-44.097) 1(-39.044,-44.097) 1(-39.044,-44.097) 1(-39.044,-44.097) 1(-39.044,-44.097) 1(-39.043,-44.112) 1(-39.043,-44.112) 1(-39.043,-44.112) 1(-39.043,-44.112) 1(-39.043,-44.112) 1(-39.043,-44.112) 1(-39.043,-44.108) 1(-39.043,-44.108) 1(-39.043,-44.108) 1(-39.043,-44.108) 1(-39.043,-44.108) 1(-39.043,-44.108) 1(-39.042,-44.1) 1(-39.042,-44.1) 1(-39.042,-44.1) 1(-39.042,-44.1) 1(-39.042,-44.1) 1(-39.042,-44.1) 1(-39.042,-44.097) 1(-39.042,-44.097) 1(-39.042,-44.097) 1(-39.042,-44.097) 1(-39.042,-44.097) 1(-39.042,-44.097) 1(-39.042,-44.112) 1(-39.042,-44.112) 1(-39.042,-44.112) 1(-39.042,-44.112) 1(-39.042,-44.112) 1(-39.042,-44.112) 1(-39.042,-44.108) 1(-39.042,-44.108) 1(-39.042,-44.108) 1(-39.042,-44.108) 1(-39.042,-44.108) 1(-39.042,-44.108) 1(-39.041,-44.11) 1(-39.041,-44.11) 1(-39.041,-44.11) 1(-39.041,-44.11) 1(-39.041,-44.11) 1(-39.041,-44.11) 1(-39.041,-44.108) 1(-39.041,-44.108) 1(-39.041,-44.108) 1(-39.041,-44.108) 1(-39.041,-44.108) 1(-39.041,-44.108) 1(-39.038,-44.122) 1(-39.038,-44.122) 1(-39.038,-44.122) 1(-39.038,-44.122) 1(-39.038,-44.122) 1(-39.038,-44.122) 1(-39.038,-44.121) 1(-39.038,-44.121) 1(-39.038,-44.121) 1(-39.038,-44.121) 1(-39.038,-44.121) 1(-39.038,-44.121) 1(-39.038,-44.11) 1(-39.038,-44.11) 1(-39.038,-44.11) 1(-39.038,-44.11) 1(-39.038,-44.11) 1(-39.038,-44.11) 1(-39.038,-44.108) 1(-39.038,-44.108) 1(-39.038,-44.108) 1(-39.038,-44.108) 1(-39.038,-44.108) 1(-39.038,-44.108) 1(-39.036,-44.104) 1(-39.036,-44.104) 1(-39.036,-44.104) 1(-39.036,-44.104) 1(-39.036,-44.104) 1(-39.036,-44.104) 1(-39.036,-44.101) 1(-39.036,-44.101) 1(-39.036,-44.101) 1(-39.036,-44.101) 1(-39.036,-44.101) 1(-39.036,-44.101) 1(-39.036,-44.122) 1(-39.036,-44.122) 1(-39.036,-44.122) 1(-39.036,-44.122) 1(-39.036,-44.122) 1(-39.036,-44.122) 1(-39.036,-44.121) 1(-39.036,-44.121) 1(-39.036,-44.121) 1(-39.036,-44.121) 1(-39.036,-44.121) 1(-39.036,-44.121) 1(-39.034,-44.104) 1(-39.034,-44.104) 1(-39.034,-44.104) 1(-39.034,-44.104) 1(-39.034,-44.104) 1(-39.034,-44.104) 1(-39.034,-44.101) 1(-39.034,-44.101) 1(-39.034,-44.101) 1(-39.034,-44.101) 1(-39.034,-44.101) 1(-39.034,-44.101) 1(-38.995,-44.105) 1(-38.995,-44.105) 1(-38.995,-44.105) 1(-38.995,-44.105) 1(-38.995,-44.105) 1(-38.995,-44.105) 1(-38.995,-44.102) 1(-38.995,-44.102) 1(-38.995,-44.102) 1(-38.995,-44.102) 1(-38.995,-44.102) 1(-38.995,-44.102) 1(-38.994,-44.105) 1(-38.994,-44.105) 1(-38.994,-44.105) 1(-38.994,-44.105) 1(-38.994,-44.105) 1(-38.994,-44.105) 1(-38.994,-44.102) 1(-38.994,-44.102) 1(-38.994,-44.102) 1(-38.994,-44.102) 1(-38.994,-44.102) 1(-38.994,-44.102) 1(-38.993,-44.105) 1(-38.993,-44.105) 1(-38.993,-44.105) 1(-38.993,-44.105) 1(-38.993,-44.105) 1(-38.993,-44.105) 1(-38.993,-44.102) 1(-38.993,-44.102) 1(-38.993,-44.102) 1(-38.993,-44.102) 1(-38.993,-44.102) 1(-38.993,-44.102) 1(-38.992,-44.105) 1(-38.992,-44.105) 1(-38.992,-44.105) 1(-38.992,-44.105) 1(-38.992,-44.105) 1(-38.992,-44.105) 1(-38.992,-44.102) 1(-38.992,-44.102) 1(-38.992,-44.102) 1(-38.992,-44.102) 1(-38.992,-44.102) 1(-38.992,-44.102) 1(-38.979,-44.104) 1(-38.979,-44.104) 1(-38.979,-44.104) 1(-38.979,-44.104) 1(-38.979,-44.104) 1(-38.979,-44.104) 1(-38.979,-44.102) 1(-38.979,-44.102) 1(-38.979,-44.102) 1(-38.979,-44.102) 1(-38.979,-44.102) 1(-38.979,-44.102) 1(-38.978,-44.105) 1(-38.978,-44.105) 1(-38.978,-44.105) 1(-38.978,-44.105) 1(-38.978,-44.105) 1(-38.978,-44.105) 1(-38.978,-44.104) 1(-38.978,-44.104) 1(-38.978,-44.104) 1(-38.978,-44.104) 1(-38.978,-44.104) 1(-38.978,-44.104) 1(-38.976,-44.104) 1(-38.976,-44.104) 1(-38.976,-44.104) 1(-38.976,-44.104) 1(-38.976,-44.104) 1(-38.976,-44.104) 1(-38.976,-44.102) 1(-38.976,-44.102) 1(-38.976,-44.102) 1(-38.976,-44.102) 1(-38.976,-44.102) 1(-38.976,-44.102) 1(-38.976,-44.105) 1(-38.976,-44.105) 1(-38.976,-44.105) 1(-38.976,-44.105) 1(-38.976,-44.105) 1(-38.976,-44.105) 1(-38.976,-44.104) 1(-38.976,-44.104) 1(-38.976,-44.104) 1(-38.976,-44.104) 1(-38.976,-44.104) 1(-38.976,-44.104)
  round 0.001 on Mech14: 1(-39.046,-44.109) 1(-39.046,-44.109) 1(-39.046,-44.109) 1(-39.046,-44.105) 1(-39.046,-44.105) 1(-39.046,-44.105) 1(-39.027,-44.107) 1(-39.027,-44.107) 1(-39.027,-44.107) 1(-39.026,-44.107) 1(-39.026,-44.107) 1(-39.026,-44.107) 1(-38.986,-44.097) 1(-38.986,-44.097) 1(-38.986,-44.097) 1(-38.982,-44.097) 1(-38.982,-44.097) 1(-38.982,-44.097)
  round 0.001 on Mech15: 1(-39.046,-44.109) 1(-39.046,-44.109) 1(-39.046,-44.109) 1(-39.046,-44.105) 1(-39.046,-44.105) 1(-39.046,-44.105) 1(-39.041,-44.104) 1(-39.041,-44.104) 1(-39.041,-44.104) 1(-39.041,-44.102) 1(-39.041,-44.102) 1(-39.041,-44.102) 1(-39.041,-44.098) 1(-39.041,-44.098) 1(-39.041,-44.098) 1(-39.041,-44.097) 1(-39.041,-44.097) 1(-39.041,-44.097) 1(-39.04,-44.104) 1(-39.04,-44.104) 1(-39.04,-44.104) 1(-39.04,-44.102) 1(-39.04,-44.102) 1(-39.04,-44.102) 1(-39.04,-44.098) 1(-39.04,-44.098) 1(-39.04,-44.098) 1(-39.04,-44.097) 1(-39.04,-44.097) 1(-39.04,-44.097) 1(-39.038,-44.104) 1(-39.038,-44.104) 1(-39.038,-44.104) 1(-39.038,-44.102) 1(-39.038,-44.102) 1(-39.038,-44.102) 1(-39.038,-44.098) 1(-39.038,-44.098) 1(-39.038,-44.098) 1(-39.038,-44.097) 1(-39.038,-44.097) 1(-39.038,-44.097) 1(-39.037,-44.104) 1(-39.037,-44.104) 1(-39.037,-44.104) 1(-39.037,-44.102) 1(-39.037,-44.102) 1(-39.037,-44.102) 1(-39.037,-44.098) 1(-39.037,-44.098) 1(-39.037,-44.098) 1(-39.037,-44.097) 1(-39.037,-44.097) 1(-39.037,-44.097) 1(-39.027,-44.107) 1(-39.027,-44.107) 1(-39.027,-44.107) 1(-39.026,-44.107) 1(-39.026,-44.107) 1(-39.026,-44.107) 1(-38.99,-44.125) 1(-38.99,-44.125) 1(-38.99,-44.125) 1(-38.99,-44.125) 1(-38.99,-44.125) 1(-38.99,-44.125) 1(-38.989,-44.125) 1(-38.989,-44.125) 1(-38.989,-44.125) 1(-38.989,-44.125) 1(-38.989,-44.125) 1(-38.989,-44.125) 1(-38.989,-44.123) 1(-38.989,-44.123) 1(-38.989,-44.123) 1(-38.989,-44.122) 1(-38.989,-44.122) 1(-38.989,-44.122) 1(-38.988,-44.125) 1(-38.988,-44.125) 1(-38.988,-44.125) 1(-38.988,-44.125) 1(-38.988,-44.125) 1(-38.988,-44.125) 1(-38.988,-44.123) 1(-38.988,-44.123) 1(-38.988,-44.123) 1(-38.988,-44.122) 1(-38.988,-44.122) 1(-38.988,-44.122) 1(-38.986,-44.097) 1(-38.986,-44.097) 1(-38.986,-44.097) 1(-38.982,-44.097) 1(-38.982,-44.097) 1(-38.982,-44.097)
  round 0.002 on Mech3: 1(-39.045,-44.133) 1(-39.045,-44.133) 1(-39.045,-44.133) 1(-39.045,-44.132) 1(-39.045,-44.132) 1(-39.045,-44.132) 1(-39.045,-44.126) 1(-39.045,-44.126) 1(-39.045,-44.126) 1(-39.045,-44.125) 1(-39.045,-44.125) 1(-39.045,-44.125)
  round 0.002 on Mech2: 1(-39.045,-44.133) 1(-39.045,-44.133) 1(-39.045,-44.133) 1(-39.045,-44.132) 1(-39.045,-44.132) 1(-39.045,-44.132) 1(-39.045,-44.126) 1(-39.045,-44.126) 1(-39.045,-44.126) 1(-39.045,-44.125) 1(-39.045,-44.125) 1(-39.045,-44.125)
  round 0.002 on Mech10: 1(-39.045,-44.133) 1(-39.045,-44.133) 1(-39.045,-44.133) 1(-39.045,-44.132) 1(-39.045,-44.132) 1(-39.045,-44.132) 1(-39.045,-44.126) 1(-39.045,-44.126) 1(-39.045,-44.126) 1(-39.045,-44.125) 1(-39.045,-44.125) 1(-39.045,-44.125)
  round 0.001 on Mech13: 1(-39.041,-44.104) 1(-39.041,-44.104) 1(-39.041,-44.104) 1(-39.041,-44.102) 1(-39.041,-44.102) 1(-39.041,-44.102) 1(-39.041,-44.098) 1(-39.041,-44.098) 1(-39.041,-44.098) 1(-39.041,-44.097) 1(-39.041,-44.097) 1(-39.041,-44.097) 1(-39.04,-44.104) 1(-39.04,-44.104) 1(-39.04,-44.104) 1(-39.04,-44.102) 1(-39.04,-44.102) 1(-39.04,-44.102) 1(-39.04,-44.098) 1(-39.04,-44.098) 1(-39.04,-44.098) 1(-39.04,-44.097) 1(-39.04,-44.097) 1(-39.04,-44.097) 1(-39.038,-44.104) 1(-39.038,-44.104) 1(-39.038,-44.104) 1(-39.038,-44.102) 1(-39.038,-44.102) 1(-39.038,-44.102) 1(-39.038,-44.098) 1(-39.038,-44.098) 1(-39.038,-44.098) 1(-39.038,-44.097) 1(-39.038,-44.097) 1(-39.038,-44.097) 1(-39.037,-44.104) 1(-39.037,-44.104) 1(-39.037,-44.104) 1(-39.037,-44.102) 1(-39.037,-44.102) 1(-39.037,-44.102) 1(-39.037,-44.098) 1(-39.037,-44.098) 1(-39.037,-44.098) 1(-39.037,-44.097) 1(-39.037,-44.097) 1(-39.037,-44.097) 1(-38.99,-44.125) 1(-38.99,-44.125) 1(-38.99,-44.125) 1(-38.99,-44.125) 1(-38.99,-44.125) 1(-38.99,-44.125) 1(-38.989,-44.125) 1(-38.989,-44.125) 1(-38.989,-44.125) 1(-38.989,-44.125) 1(-38.989,-44.125) 1(-38.989,-44.125) 1(-38.989,-44.123) 1(-38.989,-44.123) 1(-38.989,-44.123) 1(-38.989,-44.122) 1(-38.989,-44.122) 1(-38.989,-44.122) 1(-38.988,-44.125) 1(-38.988,-44.125) 1(-38.988,-44.125) 1(-38.988,-44.125) 1(-38.988,-44.125) 1(-38.988,-44.125) 1(-38.988,-44.123) 1(-38.988,-44.123) 1(-38.988,-44.123) 1(-38.988,-44.122) 1(-38.988,-44.122) 1(-38.988,-44.122)
  round 0 on Mech11: 1(-39.039,-44.143) 1(-39.039,-44.143) 1(-39.039,-44.143) 1(-39.039,-44.143) 1(-39.039,-44.143) 1(-39.039,-44.143) 1(-39.039,-44.108) 1(-39.039,-44.108) 1(-39.039,-44.108) 1(-39.039,-44.108) 1(-39.039,-44.108) 1(-39.039,-44.108) 1(-39.036,-44.106) 1(-39.036,-44.106) 1(-39.036,-44.106) 1(-39.036,-44.106) 1(-39.036,-44.106) 1(-39.036,-44.106) 1(-38.982,-44.143) 1(-38.982,-44.143) 1(-38.982,-44.143) 1(-38.982,-44.143) 1(-38.982,-44.143) 1(-38.982,-44.143) 1(-38.982,-44.106) 1(-38.982,-44.106) 1(-38.982,-44.106) 1(-38.982,-44.106) 1(-38.982,-44.106) 1(-38.982,-44.106)
  round 0 on Mech9: 1(-39.021,-44.127) 1(-39.021,-44.127) 1(-39.021,-44.127) 1(-39.021,-44.127) 1(-39.021,-44.127) 1(-39.021,-44.127) 1(-39.021,-44.114) 1(-39.021,-44.114) 1(-39.021,-44.114) 1(-39.021,-44.114) 1(-39.021,-44.114) 1(-39.021,-44.114) 1(-39.006,-44.127) 1(-39.006,-44.127) 1(-39.006,-44.127) 1(-39.006,-44.127) 1(-39.006,-44.127) 1(-39.006,-44.127) 1(-39.006,-44.114) 1(-39.006,-44.114) 1(-39.006,-44.114) 1(-39.006,-44.114) 1(-39.006,-44.114) 1(-39.006,-44.114)
  round 0 on Mech6: 1(-39.021,-44.127) 1(-39.021,-44.127) 1(-39.021,-44.127) 1(-39.021,-44.127) 1(-39.021,-44.127) 1(-39.021,-44.127) 1(-39.021,-44.114) 1(-39.021,-44.114) 1(-39.021,-44.114) 1(-39.021,-44.114) 1(-39.021,-44.114) 1(-39.021,-44.114) 1(-39.006,-44.127) 1(-39.006,-44.127) 1(-39.006,-44.127) 1(-39.006,-44.127) 1(-39.006,-44.127) 1(-39.006,-44.127) 1(-39.006,-44.114) 1(-39.006,-44.114) 1(-39.006,-44.114) 1(-39.006,-44.114) 1(-39.006,-44.114) 1(-39.006,-44.114)

## Via types
v1: diameter 0.61, hole 0.305, Top Layer to Bottom Layer, tented both sides, 555 vias
v2: diameter 0.406, hole 0.203, Top Layer to Bottom Layer, tented both sides, 157 vias

## Nets (pads, with @x,y where several pads share a name; then routed paths per layer and width w, separated by ;. In a path a pad name is that pad's centre, name@x,y a point inside that pad or via, vN(x,y) a via of type N, cw(c..) or ccw(c..) an arc to the next point about the centre after c; other vN are vias at no path point)
ACIN5V: C2.1 C3.1 C22.1 C23.1 J1.1 J1.2 J1.3 J1.4 L2.1 Q1.2 RT11.1 U2.6 | length 111.9
  Top Layer w0.254: 5.918,28.696 6.192,28.696 ; J1.4@8.534,28.696 6.192,28.696 ; J1.3@8.534,29.196 6.212,29.196 6.198,29.21 ; J1.2@8.534,29.696 6.226,29.696 6.198,29.667 ; J1.1@8.534,30.196 6.549,30.196 6.198,29.845 6.198,29.667 ; 6.192,28.696 6.198,28.702 6.198,29.21 ; 6.198,29.21 6.198,29.667
  Top Layer w0.508: 5.918,28.696 2.839,28.696 1.295,27.153 1.295,8.23 3.175,6.35 29.235,6.35 31.09,4.496 C2.1@32.766,4.496 ; C3.1@32.842,6.071 32.842,4.572 C2.1@32.766,4.496 ; RT11.1@34.912,5.817 34.303,5.207 Q1.2@34.303,4.293 ; C23.1@66.99,2.651 65.894,2.651 C22.1@65.339,3.206 63.146,3.206 L2.1@62.799,3.553 62.749,3.604 U2.6@60.056,3.604 60.056,1.484 59.36,0.787 34.747,0.787 34.303,1.232 Q1.2@34.303,4.293 ; C2.1@32.766,4.496 34.1,4.496 Q1.2@34.303,4.293
B2: J1.10
B3: J1.11
B4: J1.12
B5: J1.13
B6: J1.14
B7: J1.15
G2: J1.16
G3: J1.17
G4: J1.18
G5: J1.19
G6: J1.20
G7: J1.21